# KiCad board k30-SBC.kicad_pcb
title: k30 SBC; rev: 1
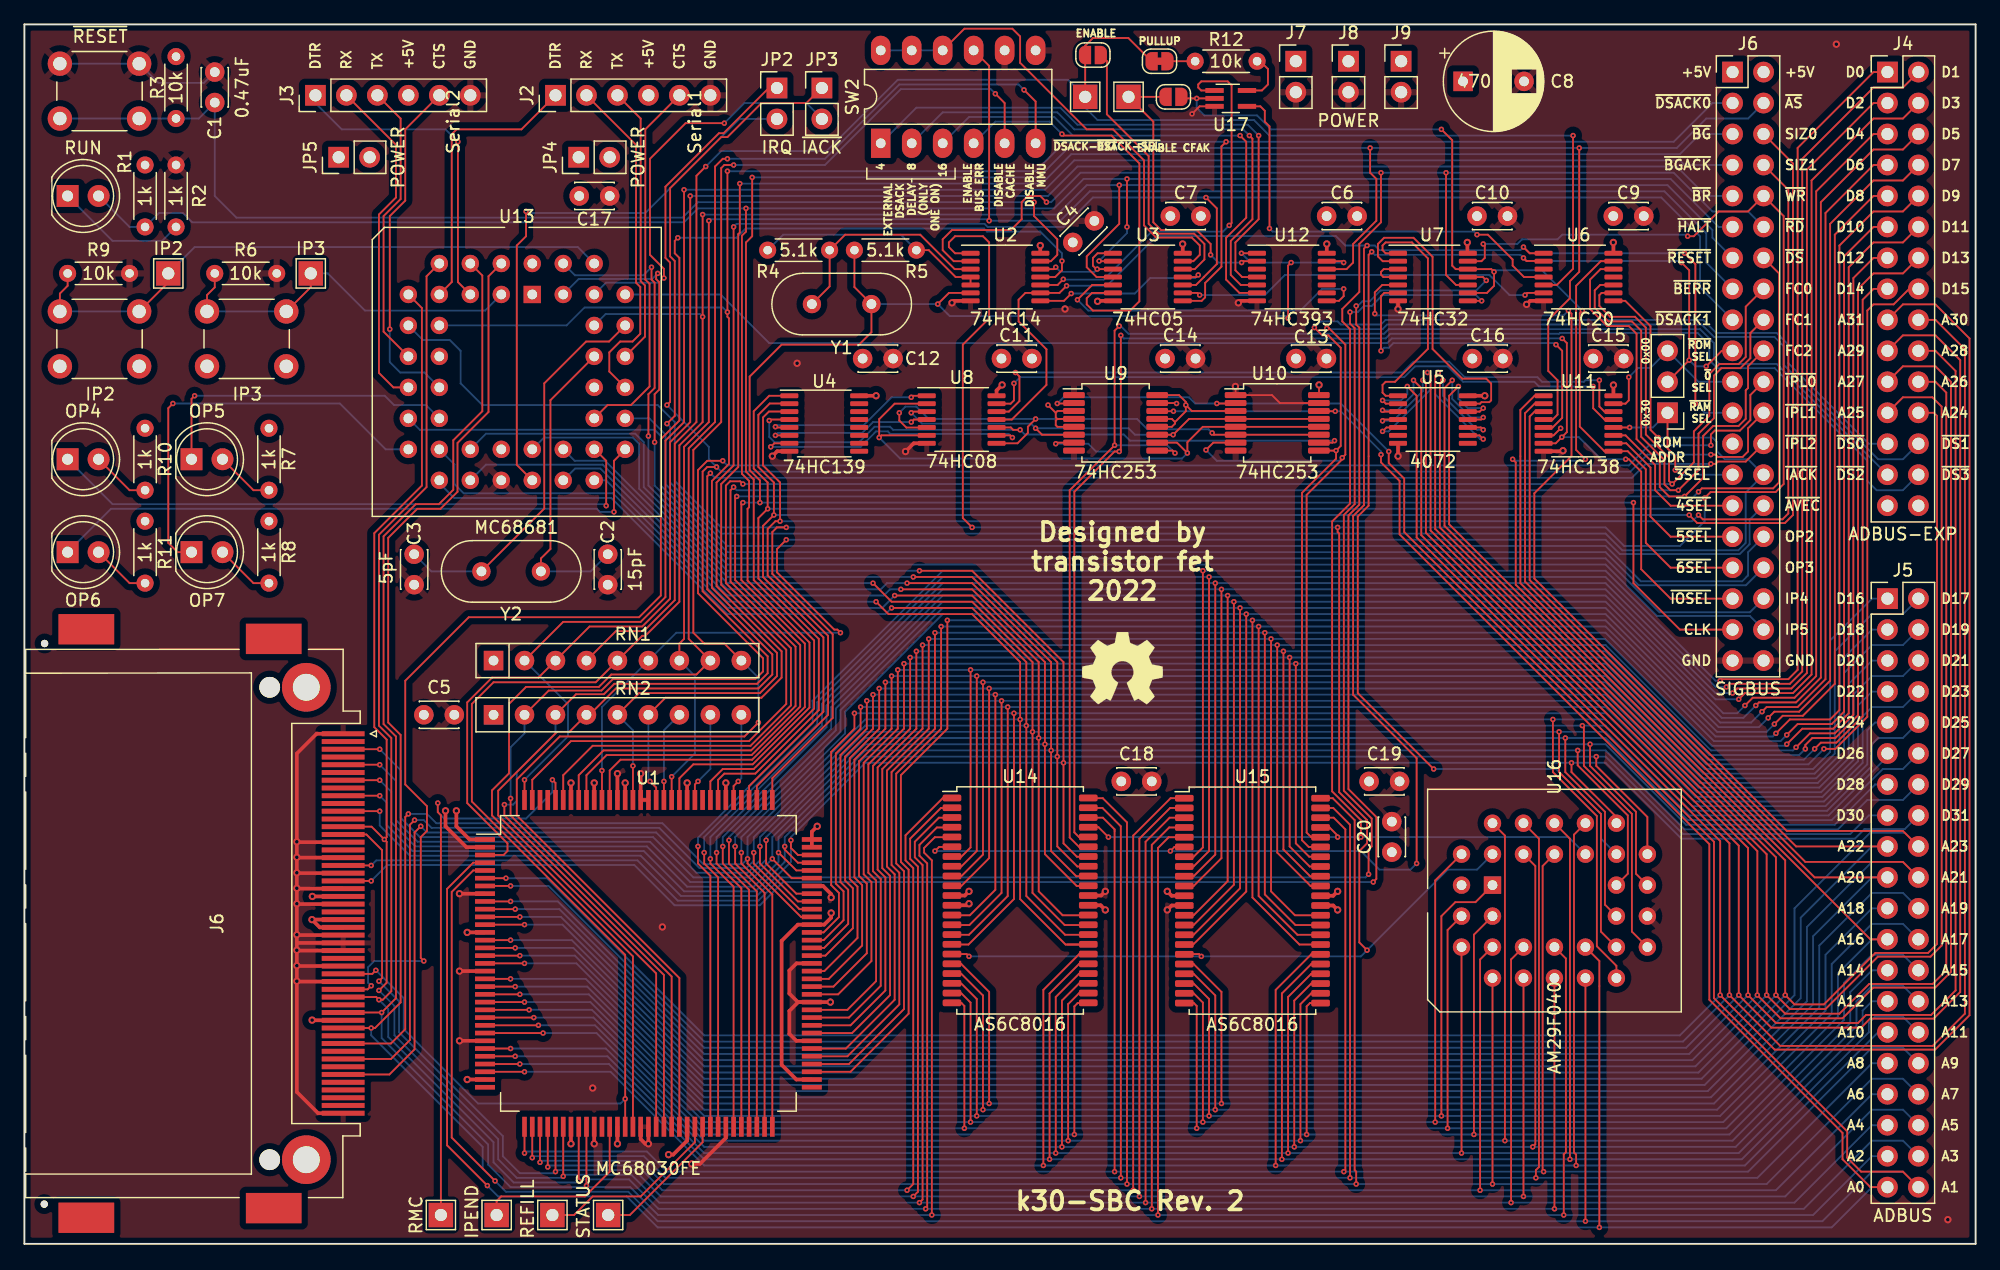
[diagram p0: board, top side]
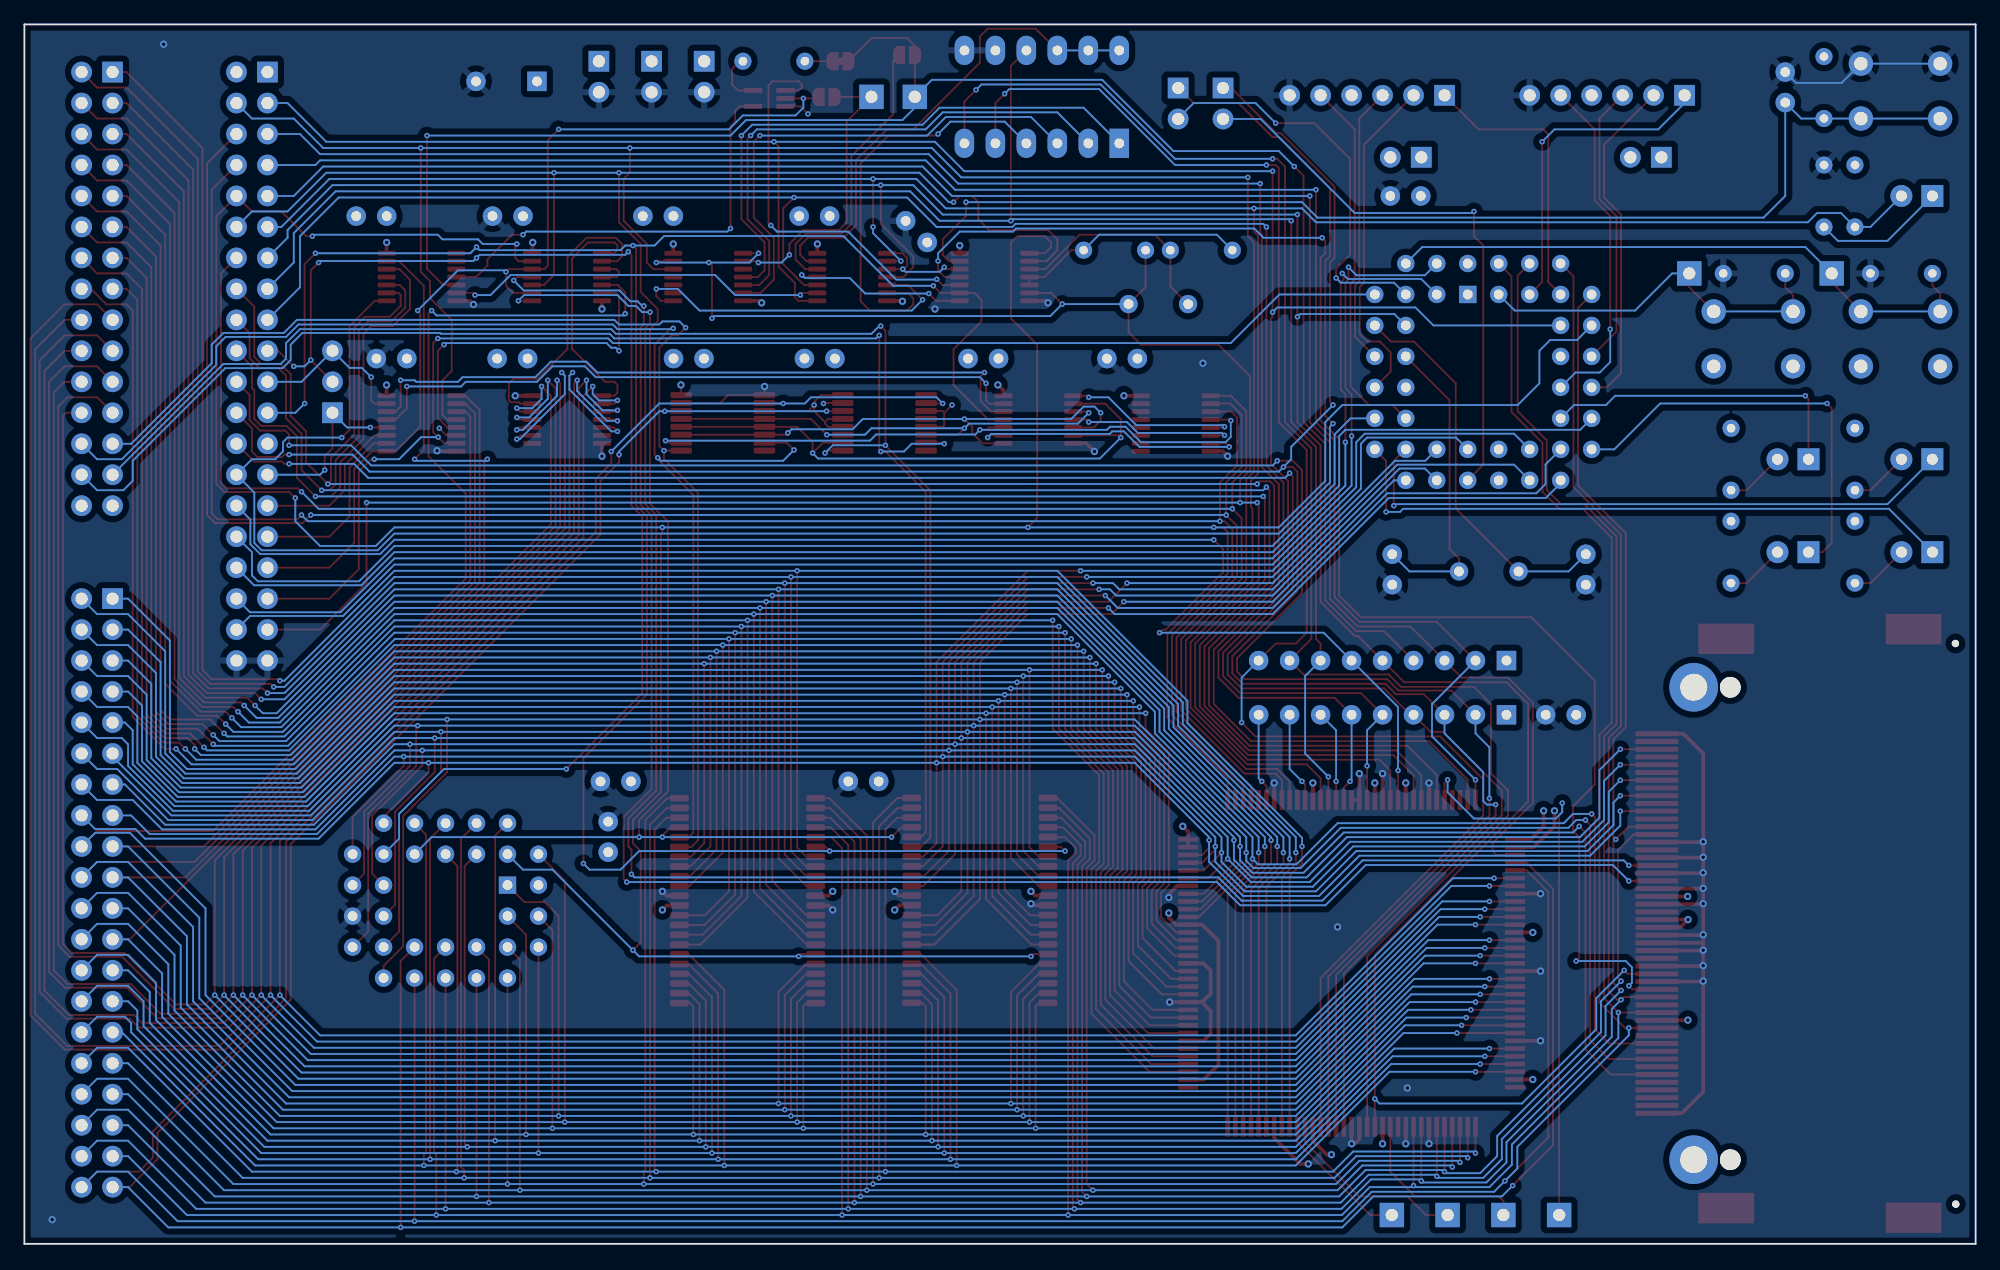
[diagram p1: board, bottom side, seen from below]

Outline 160 x 100 mm; copper layers: Top, In1.Cu, In2.Cu, Bottom. Coordinates in mm from the lower left corner of the outline.
Outline path: 0,100 0,0 160,0 160,100 0,100

## Placement (name value [footprint] x y rotation side)
C1  0.47uF  [C_Disc_D3.0mm_W2.0mm_P2.50mm]  15.61 93.59 90 top
C2  15pF  [C_Disc_D3.0mm_W2.0mm_P2.50mm]  47.84 54.05 90 top
C3  5pF  [C_Disc_D3.0mm_W2.0mm_P2.50mm]  31.96 54.05 90 top
C4  0.1uF  [C_Disc_D3.0mm_W2.0mm_P2.50mm]  85.97 82.12 45 top
C5  0.1uF  [C_Disc_D3.0mm_W2.0mm_P2.50mm]  32.75 43.39 0 top
C6  0.1uF  [C_Disc_D3.0mm_W2.0mm_P2.50mm]  106.78 84.28 0 top
C7  0.1uF  [C_Disc_D3.0mm_W2.0mm_P2.50mm]  93.97 84.28 0 top
C8  470uF  [CP_Radial_D8.0mm_P5.00mm]  117.97 95.33 0 top
C9  0.1uF  [C_Disc_D3.0mm_W2.0mm_P2.50mm]  130.29 84.28 0 top
C10  0.1uF  [C_Disc_D3.0mm_W2.0mm_P2.50mm]  119.12 84.28 0 top
C11  0.1uF  [C_Disc_D3.0mm_W2.0mm_P2.50mm]  80.12 72.59 0 top
C12  0.1uF  [C_Disc_D3.0mm_W2.0mm_P2.50mm]  68.74 72.59 0 top
C13  0.1uF  [C_Disc_D3.0mm_W2.0mm_P2.50mm]  104.27 72.59 0 top
C14  0.1uF  [C_Disc_D3.0mm_W2.0mm_P2.50mm]  93.54 72.59 0 top
C15  0.1uF  [C_Disc_D3.0mm_W2.0mm_P2.50mm]  128.64 72.59 0 top
C16  0.1uF  [C_Disc_D3.0mm_W2.0mm_P2.50mm]  118.73 72.59 0 top
C17  0.1uF  [C_Disc_D3.0mm_W2.0mm_P2.50mm]  45.5 85.93 0 top
C18  0.1uF  [C_Disc_D3.0mm_W2.0mm_P2.50mm]  89.94 37.92 0 top
C19  0.1uF  [C_Disc_D3.0mm_W2.0mm_P2.50mm]  110.26 37.92 0 top
C20  0.1uF  [C_Disc_D3.0mm_W2.0mm_P2.50mm]  112.13 32.12 90 top
D1  RUN  [LED_D5.0mm]  3.55 85.93 0 top
D2  OP5  [LED_D5.0mm]  13.7 64.34 0 top
D3  OP7  [LED_D5.0mm]  13.7 56.72 0 top
D4  OP4  [LED_D5.0mm]  3.55 64.34 0 top
D5  OP6  [LED_D5.0mm]  3.55 56.72 0 top
J1  CompactFlash  [CF-Card_3M_N7E50-Q516RB-40]  23.02 26.27 180 top
J2  Serial1  [PinHeader_1x06_P2.54mm_Vertical]  43.55 94.19 90 top
J3  Serial2  [PinHeader_1x06_P2.54mm_Vertical]  23.87 94.19 90 top
J4  ADBUS-EXP  [PinHeader_2x15_P2.54mm_Vertical]  152.77 96.09 0 top
J5  ADBUS  [PinHeader_2x20_P2.54mm_Vertical]  152.77 52.91 0 top
J6  SIGBUS  [PinHeader_2x20_P2.54mm_Vertical]  140.07 96.09 0 top
J7  POWER  [PinHeader_1x02_P2.54mm_Vertical]  104.26 96.98 0 top
J8  POWER  [PinHeader_1x02_P2.54mm_Vertical]  108.57 96.98 0 top
J9  POWER  [PinHeader_1x02_P2.54mm_Vertical]  112.89 96.98 0 top
JP1  ROMJMP  [PinHeader_1x03_P2.54mm_Vertical]  134.74 68.15 180 top
JP2  IRQ  [PinHeader_1x02_P2.54mm_Vertical]  61.71 94.78 0 top
JP3  ~{IACK}  [PinHeader_1x02_P2.54mm_Vertical]  65.39 94.78 0 top
JP4  POWER  [PinHeader_1x02_P2.54mm_Vertical]  45.45 89.1 90 top
JP5  POWER  [PinHeader_1x02_P2.54mm_Vertical]  25.77 89.1 90 top
JP6  ENABLE  [SolderJumper-2_P1.3mm_Open_RoundedPad1.0x1.5mm]  87.62 97.49 180 top
JP7  PULLUP  [SolderJumper-2_P1.3mm_Bridged_RoundedPad1.0x1.5mm]  93.08 96.98 0 top
JP8  ENABLE CFAK  [SolderJumper-2_P1.3mm_Open_RoundedPad1.0x1.5mm]  94.22 94.06 180 top
R1  1k  [R_Axial_DIN0204_L3.6mm_D1.6mm_P5.08mm_Horizontal]  9.9 83.39 90 top
R2  1k  [R_Axial_DIN0204_L3.6mm_D1.6mm_P5.08mm_Horizontal]  12.44 88.47 270 top
R3  10k  [R_Axial_DIN0204_L3.6mm_D1.6mm_P5.08mm_Horizontal]  12.44 97.36 270 top
R4  5.1k  [R_Axial_DIN0204_L3.6mm_D1.6mm_P5.08mm_Horizontal]  60.95 81.48 0 top
R5  5.1k  [R_Axial_DIN0204_L3.6mm_D1.6mm_P5.08mm_Horizontal]  68.06 81.48 0 top
R6  10k  [R_Axial_DIN0204_L3.6mm_D1.6mm_P5.08mm_Horizontal]  15.61 79.58 0 top
R7  1k  [R_Axial_DIN0204_L3.6mm_D1.6mm_P5.08mm_Horizontal]  20.05 61.8 90 top
R8  1k  [R_Axial_DIN0204_L3.6mm_D1.6mm_P5.08mm_Horizontal]  20.05 54.18 90 top
R9  10k  [R_Axial_DIN0204_L3.6mm_D1.6mm_P5.08mm_Horizontal]  3.55 79.58 0 top
R10  1k  [R_Axial_DIN0204_L3.6mm_D1.6mm_P5.08mm_Horizontal]  9.9 61.8 90 top
R11  1k  [R_Axial_DIN0204_L3.6mm_D1.6mm_P5.08mm_Horizontal]  9.9 54.18 90 top
R12  10k  [R_Axial_DIN0204_L3.6mm_D1.6mm_P5.08mm_Horizontal]  101.08 96.98 180 top
REF**  -  [OSHW-Symbol_6.7x6mm_SilkScreen]  90.03 47.19 0 top
RN1  10k  [R_Array_SIP9]  38.47 47.83 0 top
RN2  10k  [R_Array_SIP9]  38.47 43.39 0 top
SW1  ~{RESET}  [SW_PUSH_6mm]  2.91 96.78 0 top
SW2  SW_DIP_x06  [DIP-12_W7.62mm_LongPads]  70.22 90.25 90 top
SW3  IP2  [SW_PUSH_6mm]  2.91 76.46 0 top
SW4  IP3  [SW_PUSH_6mm]  14.98 76.46 0 top
TP1  IPEND  [TestPoint_THTPad_2.0x2.0mm_Drill1.0mm]  38.72 2.36 90 top
TP2  REFILL  [TestPoint_THTPad_2.0x2.0mm_Drill1.0mm]  43.3 2.36 90 top
TP3  STATUS  [TestPoint_THTPad_2.0x2.0mm_Drill1.0mm]  47.87 2.36 90 top
TP4  ~{DSACK-EXT}  [TestPoint_THTPad_2.0x2.0mm_Drill1.0mm]  86.98 94.06 0 top
TP5  IP3  [TestPoint_THTPad_2.0x2.0mm_Drill1.0mm]  23.48 79.58 0 top
TP6  IP2  [TestPoint_THTPad_2.0x2.0mm_Drill1.0mm]  11.8 79.58 0 top
TP7  RMC  [TestPoint_THTPad_2.0x2.0mm_Drill1.0mm]  34.15 2.36 90 top
TP8  ~{DSACK-SEL}  [TestPoint_THTPad_2.0x2.0mm_Drill1.0mm]  90.54 94.06 0 top
U1  MC68030FE  [PQFP-132_24x24mm_P0.635mm]  51.17 23 0 top
U2  74HC14  [TSSOP-14_4.4x5mm_P0.65mm]  80.45 79.28 0 top
U3  74HC05  [TSSOP-14_4.4x5mm_P0.65mm]  92.12 79.28 0 top
U4  74HC139  [TSSOP-16_4.4x5mm_P0.65mm]  65.59 67.27 0 top
U5  4072  [TSSOP-14_4.4x5mm_P0.65mm]  115.5 67.6 0 top
U6  74HC20  [TSSOP-14_4.4x5mm_P0.65mm]  127.44 79.28 0 top
U7  74HC32  [TSSOP-14_4.4x5mm_P0.65mm]  115.5 79.28 0 top
U8  74HC08  [TSSOP-14_4.4x5mm_P0.65mm]  76.85 67.6 0 top
U9  74HC253  [SSOP-16_5.3x6.2mm_P0.65mm]  89.48 67.32 0 top
U10  74HC253  [SSOP-16_5.3x6.2mm_P0.65mm]  102.73 67.32 0 top
U11  74HC138  [TSSOP-16_4.4x5mm_P0.65mm]  127.44 67.27 0 top
U12  74HC393  [TSSOP-14_4.4x5mm_P0.65mm]  103.93 79.28 0 top
U13  MC68681  [PLCC-44_THT-Socket]  41.64 77.85 0 top
U14  AS6C8016  [TSOP-II-44_10.16x18.41mm_P0.8mm]  81.65 28.16 0 top
U15  AS6C8016  [TSOP-II-44_10.16x18.41mm_P0.8mm]  100.7 28.14 0 top
U16  AM29F040  [PLCC-32_THT-Socket]  120.38 29.42 90 top
U17  74LVC1G32  [SOT-353_SC-70-5_Handsoldering]  98.92 93.93 0 top
Y1  Crystal  [Crystal_HC49-4H_Vertical]  64.58 77.06 0 top
Y2  Crystal  [Crystal_HC49-4H_Vertical]  37.48 55.14 0 top

## Footprints (pads in the part's own frame, mm; a bottom-side part is the same pattern mirrored in y, then rotated)
C_Disc_D3.0mm_W2.0mm_P2.50mm
  round 1.6 hole 0.8: 1(0,0) 2(2.5,0)
CF-Card_3M_N7E50-Q516RB-40
  round 3.99 hole 2.21: (-0.1,19.37) (-0.1,-19.37)
  rect 4.57x2.49 smd: (2.57,23.34) (2.57,-23.34) (17.937,24.13) (17.937,-24.13)
  round 1.7 hole 1.7 unplated: (2.9,19.37) (2.9,-19.37)
  round 0.6 hole 0.6 unplated: (21.361,-22.962) (21.387,23.012)
  rect 3.51x0.41 smd: 1(-3.123,-15.56) 2(-3.123,-14.29) 3(-3.123,-13.02) 4(-3.123,-11.75) 5(-3.123,-10.48) 6(-3.123,-9.21) 7(-3.123,-7.94) 8(-3.123,-6.67) 9(-3.123,-5.4) 10(-3.123,-4.13) 11(-3.123,-2.86) 12(-3.123,-1.59) 13(-3.123,-0.32) 14(-3.123,0.95) 15(-3.123,2.22) 16(-3.123,3.49) 17(-3.123,4.76) 18(-3.123,6.03) 19(-3.123,7.3) 20(-3.123,8.57) 21(-3.123,9.84) 22(-3.123,11.11) 23(-3.123,12.38) 24(-3.123,13.65) 25(-3.123,14.92) 26(-3.123,-14.92) 27(-3.123,-13.65) 28(-3.123,-12.38) 29(-3.123,-11.11) 30(-3.123,-9.84) 31(-3.123,-8.57) 32(-3.123,-7.3) 33(-3.123,-6.03) 34(-3.123,-4.76) 35(-3.123,-3.49) 36(-3.123,-2.22) 37(-3.123,-0.95) 38(-3.123,0.32) 39(-3.123,1.59) 40(-3.123,2.86) 41(-3.123,4.13) 42(-3.123,5.4) 43(-3.123,6.67) 44(-3.123,7.94) 45(-3.123,9.21) 46(-3.123,10.48) 47(-3.123,11.75) 48(-3.123,13.02) 49(-3.123,14.29) 50(-3.123,15.56)
CP_Radial_D8.0mm_P5.00mm
  rect 1.6x1.6 hole 0.8: 1(0,0)
  round 1.6 hole 0.8: 2(5,0)
Crystal_HC49-4H_Vertical
  round 1.5 hole 0.8: 1(0,0) 2(4.88,0)
DIP-12_W7.62mm_LongPads
  rect 2.4x1.6 hole 0.8: 1(0,0)
  oval 2.4x1.6 hole 0.8: 2(0,-2.54) 3(0,-5.08) 4(0,-7.62) 5(0,-10.16) 6(0,-12.7) 7(7.62,-12.7) 8(7.62,-10.16) 9(7.62,-7.62) 10(7.62,-5.08) 11(7.62,-2.54) 12(7.62,0)
LED_D5.0mm
  rect 1.8x1.8 hole 0.9: 1(0,0)
  round 1.8 hole 0.9: 2(2.54,0)
PinHeader_1x02_P2.54mm_Vertical
  rect 1.7x1.7 hole 1: 1(0,0)
  oval 1.7x1.7 hole 1: 2(0,-2.54)
PinHeader_1x03_P2.54mm_Vertical
  rect 1.7x1.7 hole 1: 1(0,0)
  oval 1.7x1.7 hole 1: 2(0,-2.54) 3(0,-5.08)
PinHeader_1x06_P2.54mm_Vertical
  rect 1.7x1.7 hole 1: 1(0,0)
  oval 1.7x1.7 hole 1: 2(0,-2.54) 3(0,-5.08) 4(0,-7.62) 5(0,-10.16) 6(0,-12.7)
PinHeader_2x15_P2.54mm_Vertical
  rect 1.7x1.7 hole 1: 1(0,0)
  oval 1.7x1.7 hole 1: 2(2.54,0) 3(0,-2.54) 4(2.54,-2.54) 5(0,-5.08) 6(2.54,-5.08) 7(0,-7.62) 8(2.54,-7.62) 9(0,-10.16) 10(2.54,-10.16) 11(0,-12.7) 12(2.54,-12.7) 13(0,-15.24) 14(2.54,-15.24) 15(0,-17.78) 16(2.54,-17.78) 17(0,-20.32) 18(2.54,-20.32) 19(0,-22.86) 20(2.54,-22.86) 21(0,-25.4) 22(2.54,-25.4) 23(0,-27.94) 24(2.54,-27.94) 25(0,-30.48) 26(2.54,-30.48) 27(0,-33.02) 28(2.54,-33.02) 29(0,-35.56) 30(2.54,-35.56)
PinHeader_2x20_P2.54mm_Vertical
  rect 1.7x1.7 hole 1: 1(0,0)
  oval 1.7x1.7 hole 1: 2(2.54,0) 3(0,-2.54) 4(2.54,-2.54) 5(0,-5.08) 6(2.54,-5.08) 7(0,-7.62) 8(2.54,-7.62) 9(0,-10.16) 10(2.54,-10.16) 11(0,-12.7) 12(2.54,-12.7) 13(0,-15.24) 14(2.54,-15.24) 15(0,-17.78) 16(2.54,-17.78) 17(0,-20.32) 18(2.54,-20.32) 19(0,-22.86) 20(2.54,-22.86) 21(0,-25.4) 22(2.54,-25.4) 23(0,-27.94) 24(2.54,-27.94) 25(0,-30.48) 26(2.54,-30.48) 27(0,-33.02) 28(2.54,-33.02) 29(0,-35.56) 30(2.54,-35.56) 31(0,-38.1) 32(2.54,-38.1) 33(0,-40.64) 34(2.54,-40.64) 35(0,-43.18) 36(2.54,-43.18) 37(0,-45.72) 38(2.54,-45.72) 39(0,-48.26) 40(2.54,-48.26)
PLCC-32_THT-Socket
  rect 1.422x1.422 hole 0.8: 1(0,0)
  round 1.422 hole 0.8: 2(-2.54,2.54) 3(-2.54,0) 4(-5.08,2.54) 5(-7.62,0) 6(-5.08,0) 7(-7.62,-2.54) 8(-5.08,-2.54) 9(-7.62,-5.08) 10(-5.08,-5.08) 11(-7.62,-7.62) 12(-5.08,-7.62) 13(-7.62,-10.16) 14(-5.08,-12.7) 15(-5.08,-10.16) 16(-2.54,-12.7) 17(-2.54,-10.16) 18(0,-12.7) 19(0,-10.16) 20(2.54,-12.7) 21(5.08,-10.16) 22(2.54,-10.16) 23(5.08,-7.62) 24(2.54,-7.62) 25(5.08,-5.08) 26(2.54,-5.08) 27(5.08,-2.54) 28(2.54,-2.54) 29(5.08,0) 30(2.54,2.54) 31(2.54,0) 32(0,2.54)
PLCC-44_THT-Socket
  rect 1.422x1.422 hole 0.8: 1(0,0)
  round 1.422 hole 0.8: 2(-2.54,2.54) 3(-2.54,0) 4(-5.08,2.54) 5(-5.08,0) 6(-7.62,2.54) 7(-10.16,0) 8(-7.62,0) 9(-10.16,-2.54) 10(-7.62,-2.54) 11(-10.16,-5.08) 12(-7.62,-5.08) 13(-10.16,-7.62) 14(-7.62,-7.62) 15(-10.16,-10.16) 16(-7.62,-10.16) 17(-10.16,-12.7) 18(-7.62,-15.24) 19(-7.62,-12.7) 20(-5.08,-15.24) 21(-5.08,-12.7) 22(-2.54,-15.24) 23(-2.54,-12.7) 24(0,-15.24) 25(0,-12.7) 26(2.54,-15.24) 27(2.54,-12.7) 28(5.08,-15.24) 29(7.62,-12.7) 30(5.08,-12.7) 31(7.62,-10.16) 32(5.08,-10.16) 33(7.62,-7.62) 34(5.08,-7.62) 35(7.62,-5.08) 36(5.08,-5.08) 37(7.62,-2.54) 38(5.08,-2.54) 39(7.62,0) 40(5.08,2.54) 41(5.08,0) 42(2.54,2.54) 43(2.54,0) 44(0,2.54)
PQFP-132_24x24mm_P0.635mm
  rect 1.635x0.38 smd: 1(-13.4,10.16) 2(-13.4,9.525) 3(-13.4,8.89) 4(-13.4,8.255) 5(-13.4,7.62) 6(-13.4,6.985) 7(-13.4,6.35) 8(-13.4,5.715) 9(-13.4,5.08) 10(-13.4,4.445) 11(-13.4,3.81) 12(-13.4,3.175) 13(-13.4,2.54) 14(-13.4,1.905) 15(-13.4,1.27) 16(-13.4,0.635) 17(-13.4,0) 18(-13.4,-0.635) 19(-13.4,-1.27) 20(-13.4,-1.905) 21(-13.4,-2.54) 22(-13.4,-3.175) 23(-13.4,-3.81) 24(-13.4,-4.445) 25(-13.4,-5.08) 26(-13.4,-5.715) 27(-13.4,-6.35) 28(-13.4,-6.985) 29(-13.4,-7.62) 30(-13.4,-8.255) 31(-13.4,-8.89) 32(-13.4,-9.525) 33(-13.4,-10.16) 67(13.4,-10.16) 68(13.4,-9.525) 69(13.4,-8.89) 70(13.4,-8.255) 71(13.4,-7.62) 72(13.4,-6.985) 73(13.4,-6.35) 74(13.4,-5.715) 75(13.4,-5.08) 76(13.4,-4.445) 77(13.4,-3.81) 78(13.4,-3.175) 79(13.4,-2.54) 80(13.4,-1.905) 81(13.4,-1.27) 82(13.4,-0.635) 83(13.4,0) 84(13.4,0.635) 85(13.4,1.27) 86(13.4,1.905) 87(13.4,2.54) 88(13.4,3.175) 89(13.4,3.81) 90(13.4,4.445) 91(13.4,5.08) 92(13.4,5.715) 93(13.4,6.35) 94(13.4,6.985) 95(13.4,7.62) 96(13.4,8.255) 97(13.4,8.89) 98(13.4,9.525) 99(13.4,10.16)
  rect 0.38x1.635 smd: 34(-10.16,-13.4) 35(-9.525,-13.4) 36(-8.89,-13.4) 37(-8.255,-13.4) 38(-7.62,-13.4) 39(-6.985,-13.4) 40(-6.35,-13.4) 41(-5.715,-13.4) 42(-5.08,-13.4) 43(-4.445,-13.4) 44(-3.81,-13.4) 45(-3.175,-13.4) 46(-2.54,-13.4) 47(-1.905,-13.4) 48(-1.27,-13.4) 49(-0.635,-13.4) 50(0,-13.4) 51(0.635,-13.4) 52(1.27,-13.4) 53(1.905,-13.4) 54(2.54,-13.4) 55(3.175,-13.4) 56(3.81,-13.4) 57(4.445,-13.4) 58(5.08,-13.4) 59(5.715,-13.4) 60(6.35,-13.4) 61(6.985,-13.4) 62(7.62,-13.4) 63(8.255,-13.4) 64(8.89,-13.4) 65(9.525,-13.4) 66(10.16,-13.4) 100(10.16,13.4) 101(9.525,13.4) 102(8.89,13.4) 103(8.255,13.4) 104(7.62,13.4) 105(6.985,13.4) 106(6.35,13.4) 107(5.715,13.4) 108(5.08,13.4) 109(4.445,13.4) 110(3.81,13.4) 111(3.175,13.4) 112(2.54,13.4) 113(1.905,13.4) 114(1.27,13.4) 115(0.635,13.4) 116(0,13.4) 117(-0.635,13.4) 118(-1.27,13.4) 119(-1.905,13.4) 120(-2.54,13.4) 121(-3.175,13.4) 122(-3.81,13.4) 123(-4.445,13.4) 124(-5.08,13.4) 125(-5.715,13.4) 126(-6.35,13.4) 127(-6.985,13.4) 128(-7.62,13.4) 129(-8.255,13.4) 130(-8.89,13.4) 131(-9.525,13.4) 132(-10.16,13.4)
R_Array_SIP9
  rect 1.6x1.6 hole 0.8: 1(0,0)
  oval 1.6x1.6 hole 0.8: 2(2.54,0) 3(5.08,0) 4(7.62,0) 5(10.16,0) 6(12.7,0) 7(15.24,0) 8(17.78,0) 9(20.32,0)
R_Axial_DIN0204_L3.6mm_D1.6mm_P5.08mm_Horizontal
  round 1.4 hole 0.7: 1(0,0)
  oval 1.4x1.4 hole 0.7: 2(5.08,0)
SolderJumper-2_P1.3mm_Bridged_RoundedPad1.0x1.5mm
  custom 1x1.5 smd: 1(-0.65,0) 2(0.65,0)
SolderJumper-2_P1.3mm_Open_RoundedPad1.0x1.5mm
  custom 1x1.5 smd: 1(-0.65,0) 2(0.65,0)
SOT-353_SC-70-5_Handsoldering
  rect 1.5x0.4 smd: 1(-1.33,0.65) 2(-1.33,0) 3(-1.33,-0.65) 4(1.33,-0.65) 5(1.33,0.65)
SSOP-16_5.3x6.2mm_P0.65mm
  rrect 1.775x0.5 smd: 1(-3.413,2.275) 2(-3.413,1.625) 3(-3.413,0.975) 4(-3.413,0.325) 5(-3.413,-0.325) 6(-3.413,-0.975) 7(-3.413,-1.625) 8(-3.413,-2.275) 9(3.413,-2.275) 10(3.413,-1.625) 11(3.413,-0.975) 12(3.413,-0.325) 13(3.413,0.325) 14(3.413,0.975) 15(3.413,1.625) 16(3.413,2.275)
SW_PUSH_6mm
  round 2 hole 1.1: 1(0,0) 1(6.5,0) 2(0,-4.5) 2(6.5,-4.5)
TestPoint_THTPad_2.0x2.0mm_Drill1.0mm
  rect 2x2 hole 1: 1(0,0)
TSOP-II-44_10.16x18.41mm_P0.8mm
  rrect 1.525x0.55 smd: 1(-5.588,8.4) 2(-5.588,7.6) 3(-5.588,6.8) 4(-5.588,6) 5(-5.588,5.2) 6(-5.588,4.4) 7(-5.588,3.6) 8(-5.588,2.8) 9(-5.588,2) 10(-5.588,1.2) 11(-5.588,0.4) 12(-5.588,-0.4) 13(-5.588,-1.2) 14(-5.588,-2) 15(-5.588,-2.8) 16(-5.588,-3.6) 17(-5.588,-4.4) 18(-5.588,-5.2) 19(-5.588,-6) 20(-5.588,-6.8) 21(-5.588,-7.6) 22(-5.588,-8.4) 23(5.588,-8.4) 24(5.588,-7.6) 25(5.588,-6.8) 26(5.588,-6) 27(5.588,-5.2) 28(5.588,-4.4) 29(5.588,-3.6) 30(5.588,-2.8) 31(5.588,-2) 32(5.588,-1.2) 33(5.588,-0.4) 34(5.588,0.4) 35(5.588,1.2) 36(5.588,2) 37(5.588,2.8) 38(5.588,3.6) 39(5.588,4.4) 40(5.588,5.2) 41(5.588,6) 42(5.588,6.8) 43(5.588,7.6) 44(5.588,8.4)
TSSOP-14_4.4x5mm_P0.65mm
  rrect 1.475x0.4 smd: 1(-2.862,1.95) 2(-2.862,1.3) 3(-2.862,0.65) 4(-2.862,0) 5(-2.862,-0.65) 6(-2.862,-1.3) 7(-2.862,-1.95) 8(2.862,-1.95) 9(2.862,-1.3) 10(2.862,-0.65) 11(2.862,0) 12(2.862,0.65) 13(2.862,1.3) 14(2.862,1.95)
TSSOP-16_4.4x5mm_P0.65mm
  rrect 1.475x0.4 smd: 1(-2.862,2.275) 2(-2.862,1.625) 3(-2.862,0.975) 4(-2.862,0.325) 5(-2.862,-0.325) 6(-2.862,-0.975) 7(-2.862,-1.625) 8(-2.862,-2.275) 9(2.862,-2.275) 10(2.862,-1.625) 11(2.862,-0.975) 12(2.862,-0.325) 13(2.862,0.325) 14(2.862,0.975) 15(2.862,1.625) 16(2.862,2.275)

## Nets
+5V: C4.1 C5.1 C6.1 C7.1 C8.1 C9.1 C10.1 C11.1 C12.1 C13.1 C14.1 C15.1 C16.1 C17.1 C18.1 C19.1 C20.1 J1.13 J1.36 J1.38 J1.44 J6.1 J6.2 J7.1 J8.1 J9.1 JP4.1 JP5.1 R1.2 R3.1 R7.2 R8.2 R10.2 R11.2 R12.1 RN1.1 RN2.1 SW3.2 SW4.2 U1.1 U1.13 U1.32 U1.46 U1.55 U1.68 U1.88 U1.98 U1.99 U1.111 U1.119 U1.123 U2.14 U3.14 U4.16 U5.14 U6.14 U7.14 U8.14 U9.3 U9.4 U9.5 U9.12 U9.13 U9.16 U10.3 U10.16 U11.6 U11.16 U12.14 U13.44 U14.11 U14.33 U15.11 U15.33 U16.32 U17.5
GND: C1.2 C2.1 C3.1 C4.2 C5.2 C6.2 C7.2 C8.2 C9.2 C10.2 C11.2 C12.2 C13.2 C14.2 C15.2 C16.2 C17.2 C18.2 C19.2 C20.2 J1.1 J1.8 J1.9 J1.10 J1.11 J1.12 J1.14 J1.15 J1.16 J1.17 J1.39 J1.50 J2.6 J3.6 J6.39 J6.40 J7.2 J8.2 J9.2 R2.1 R6.2 R9.2 SW1.1 SW2.7 SW2.8 U1.2 U1.8 U1.18 U1.27 U1.40 U1.43 U1.49 U1.50 U1.60 U1.73 U1.78 U1.83 U1.93 U1.106 U1.116 U1.117 U1.120 U1.126 U2.7 U3.7 U4.8 U5.7 U6.7 U7.7 U8.7 U9.1 U9.8 U9.15 U10.1 U10.8 U10.15 U11.8 U12.7 U13.22 U14.12 U14.34 U15.12 U15.34 U16.16 U17.3
A0: J5.39 U1.4 U9.14 U10.14 U16.12
A1: J1.20 J5.40 U1.5 U9.2 U10.2 U13.2 U16.11
A2: J1.19 J5.37 U1.42 U13.4 U14.5 U15.5 U16.10
A3: J1.18 J5.38 U1.41 U13.6 U14.4 U15.4 U16.9
A4: J1.7 J5.35 U1.39 U13.7 U14.3 U15.3 U16.8
A5: J1.32 J5.36 U1.38 U14.2 U15.2 U16.7
A6: J5.33 U1.37 U14.1 U15.1 U16.6
A7: J5.34 U1.36 U14.44 U15.44 U16.5
A8: J5.31 U1.35 U14.43 U15.43 U16.27
A9: J5.32 U1.34 U14.42 U15.42 U16.26
A10: J5.29 U1.31 U14.28 U15.28 U16.23
A11: J5.30 U1.30 U14.27 U15.27 U16.25
A12: J5.27 U1.29 U14.26 U15.26 U16.4
A13: J5.28 U1.28 U14.25 U15.25 U16.28
A14: J5.25 U1.26 U14.24 U15.24 U16.29
A15: J5.26 U1.25 U14.23 U15.23 U16.3
A16: J5.23 U1.24 U6.13 U14.22 U15.22 U16.2
A17: J5.24 U1.23 U14.21 U15.21 U16.30
A18: J5.21 U1.22 U14.20 U15.20 U16.1
A19: J5.22 U1.21 U14.19 U15.19
A20: J5.19 U1.20 U11.1 U14.18 U15.18
A21: J5.20 U1.19 U11.2
A22: J5.17 U1.17 U11.3
A23: J5.18 U1.16 U7.5
A24: J4.24 U1.15 U5.12
A25: J4.23 U1.14 U5.11
A26: J4.22 U1.12 U5.10
A27: J4.21 U1.11 U5.9
A28: J4.20 U1.10 U5.5
A29: J4.19 U1.9 U5.4
A30: J4.18 U1.7 U5.3
A31: J4.17 U1.6 U5.2
ATA-READY: J1.42 U2.11
CLK: J6.37 R5.1 U1.121 U2.6 U12.1 U12.13 Y1.2
D0: J4.1 U1.58 U15.7
D1: J4.2 U1.59 U15.8
D2: J4.3 U1.61 U15.9
D3: J4.4 U1.62 U15.10
D4: J4.5 U1.63 U15.13
D5: J4.6 U1.64 U15.14
D6: J4.7 U1.65 U15.15
D7: J4.8 U1.66 U15.16
D8: J4.9 U1.69 U15.29
D9: J4.10 U1.70 U15.30
D10: J4.11 U1.71 U15.31
D11: J4.12 U1.72 U15.32
D12: J4.13 U1.74 U15.35
D13: J4.14 U1.75 U15.36
D14: J4.15 U1.76 U15.37
D15: J4.16 U1.77 U15.38
D16: J5.1 U1.79 U14.7
D17: J5.2 U1.80 U14.8
D18: J5.3 U1.81 U14.9
D19: J5.4 U1.82 U14.10
D20: J5.5 U1.84 U14.13
D21: J5.6 U1.85 U14.14
D22: J5.7 U1.86 U14.15
D23: J5.8 U1.87 U14.16
D24: J1.21 J5.9 U1.89 U13.28 U14.29 U16.13
D25: J1.22 J5.10 U1.90 U13.18 U14.30 U16.14
D26: J1.23 J5.11 U1.91 U13.27 U14.31 U16.15
D27: J1.2 J5.12 U1.92 U13.19 U14.32 U16.17
D28: J1.3 J5.13 U1.94 U13.26 U14.35 U16.18
D29: J1.4 J5.14 U1.95 U13.20 U14.36 U16.19
D30: J1.5 J5.15 U1.96 U13.25 U14.37 U16.20
D31: J1.6 J5.16 U1.97 U13.21 U14.38 U16.21
FC0: J6.16 U1.127 U6.9
FC1: J6.18 U1.125 U6.10
FC2: J6.20 U1.124 U6.12
IP4: J6.36 U13.43
IP5: J6.38 U13.42
OP2: J6.32 U13.31
OP3: J6.34 U13.15
SIZ0: J6.6 U1.103 U4.2
SIZ1: J6.8 U1.102 U4.3
~{0SEL}: J6.21 JP1.3 U11.15
~{3SEL}: J6.27 JP1.1 U11.12
~{4SEL}: J6.29 U11.11
~{5SEL}: J6.31 U11.10
~{6SEL}: J6.33 JP8.1 U7.9 U7.12 U11.9 U17.2
~{AS}: J6.4 U1.108 U11.4 U12.12
~{ATA-DSACK}: U6.4 U17.4
~{AVEC}: J6.30 RN1.6 U1.122
~{BERR}: J6.15 RN1.7 SW2.9 U1.113
~{BGACK}: J6.7 RN1.2 U1.132
~{BG}: J6.5 U1.131
~{BR}: J6.9 RN1.3 U1.3
~{CDIS}: RN1.9 SW2.5 U1.54
~{DS0}: J4.25 U10.9 U15.39
~{DS1}: J4.26 U10.7 U15.40
~{DS2}: J4.27 U9.9 U14.39
~{DS3}: J4.28 U9.7 U14.40
~{DSACK0}: J6.3 RN2.5 U1.118 U3.8 U13.10
~{DSACK1}: J6.17 RN2.6 U1.115 U3.10
~{DSACK-EXT}: JP6.2 JP7.1 RN1.4 TP4.1 U6.5
~{DS}: J6.14 U1.107 U4.1
~{HALT}: D1.2 J6.11 R1.1 U1.112 U3.2
~{IACK}: J6.28 JP3.1 U6.8
~{IORD}: J1.34 U7.8
~{IOSEL}: J6.35 U11.7 U13.39
~{IOWR}: J1.35 U7.11
~{IPL0}: J6.22 RN2.2 U1.53
~{IPL1}: J6.24 JP2.1 RN2.3 U1.52
~{IPL2}: J6.26 RN2.4 U1.51
~{MMUDIS}: RN1.8 SW2.6 U1.48
~{RAMSEL}: J6.23 U2.9 U6.1 U8.11 U14.6 U15.6
~{RD}: J6.12 U2.2 U7.10 U14.41 U15.41 U16.24
~{RESET}: J1.41 J6.13 RN1.5 U1.47 U3.4 U13.38
~{ROMSEL}: J6.19 JP1.2 U6.2 U16.22
~{SIACK}: JP3.2 U13.41
~{SIRQ}: JP2.2 U13.24
~{WR}: J6.10 U1.100 U2.1 U7.13 U13.9 U14.17 U15.17 U16.31
Net-(C1-Pad1): C1.1 R3.2 SW1.2 U2.13
Net-(C2-Pad2): C2.2 U13.36 Y2.2
Net-(C3-Pad2): C3.2 U13.37 Y2.1
Net-(D1-Pad1): D1.1 R2.2
Net-(D2-Pad1): D2.1 U13.16
Net-(D2-Pad2): D2.2 R7.1
Net-(D3-Pad1): D3.1 U13.17
Net-(D3-Pad2): D3.2 R8.1
Net-(D4-Pad1): D4.1 U13.30
Net-(D4-Pad2): D4.2 R10.1
Net-(D5-Pad1): D5.1 U13.29
Net-(D5-Pad2): D5.2 R11.1
Net-(J2-Pad1): J2.1 U13.8
Net-(J2-Pad2): J2.2 U13.33
Net-(J2-Pad3): J2.3 U13.35
Net-(J2-Pad4): J2.4 JP4.2
Net-(J2-Pad5): J2.5 U13.32
Net-(J3-Pad1): J3.1 U13.5
Net-(J3-Pad2): J3.2 U13.13
Net-(J3-Pad3): J3.3 U13.11
Net-(J3-Pad4): J3.4 JP5.2
Net-(J3-Pad5): J3.5 U13.14
Net-(JP6-Pad1): JP6.1 U3.12
Net-(JP7-Pad2): JP7.2 R12.2
Net-(R4-Pad1): R4.1 R5.2 U2.4 U2.5
Net-(R4-Pad2): R4.2 U2.3 Y1.1
Net-(R6-Pad1): R6.1 SW4.1 TP5.1 U13.3
Net-(R9-Pad1): R9.1 SW3.1 TP6.1 U13.40
Net-(RN2-Pad7): RN2.7 U1.114
Net-(RN2-Pad8): RN2.8 U1.110
Net-(RN2-Pad9): RN2.9 U1.105
Net-(SW2-Pad1): SW2.1 U12.4
Net-(SW2-Pad2): SW2.2 U12.5
Net-(SW2-Pad3): SW2.3 U12.6
Net-(SW2-Pad4): SW2.4 U3.6
Net-(SW2-Pad10): SW2.10 SW2.11 SW2.12 U3.13
Net-(TP1-Pad1): TP1.1 U1.45
Net-(TP2-Pad1): TP2.1 U1.56
Net-(TP3-Pad1): TP3.1 U1.57
Net-(TP7-Pad1): TP7.1 U1.128
Net-(TP8-Pad1): JP8.2 TP8.1 U12.2
Net-(U2-Pad8): U2.8 U3.11
Net-(U2-Pad12): U2.12 U3.1 U3.3
Net-(U3-Pad9): U3.9 U6.6
Net-(U4-Pad5): U4.5 U8.1
Net-(U4-Pad6): U4.6 U8.4
Net-(U4-Pad7): U4.7 U8.9
Net-(U5-Pad1): U5.1 U7.1
Net-(U5-Pad13): U5.13 U7.2
Net-(U7-Pad3): U7.3 U7.4